# Altium PCB 891-萱250721-1.pcbdoc (part 1 of 5) (continued)
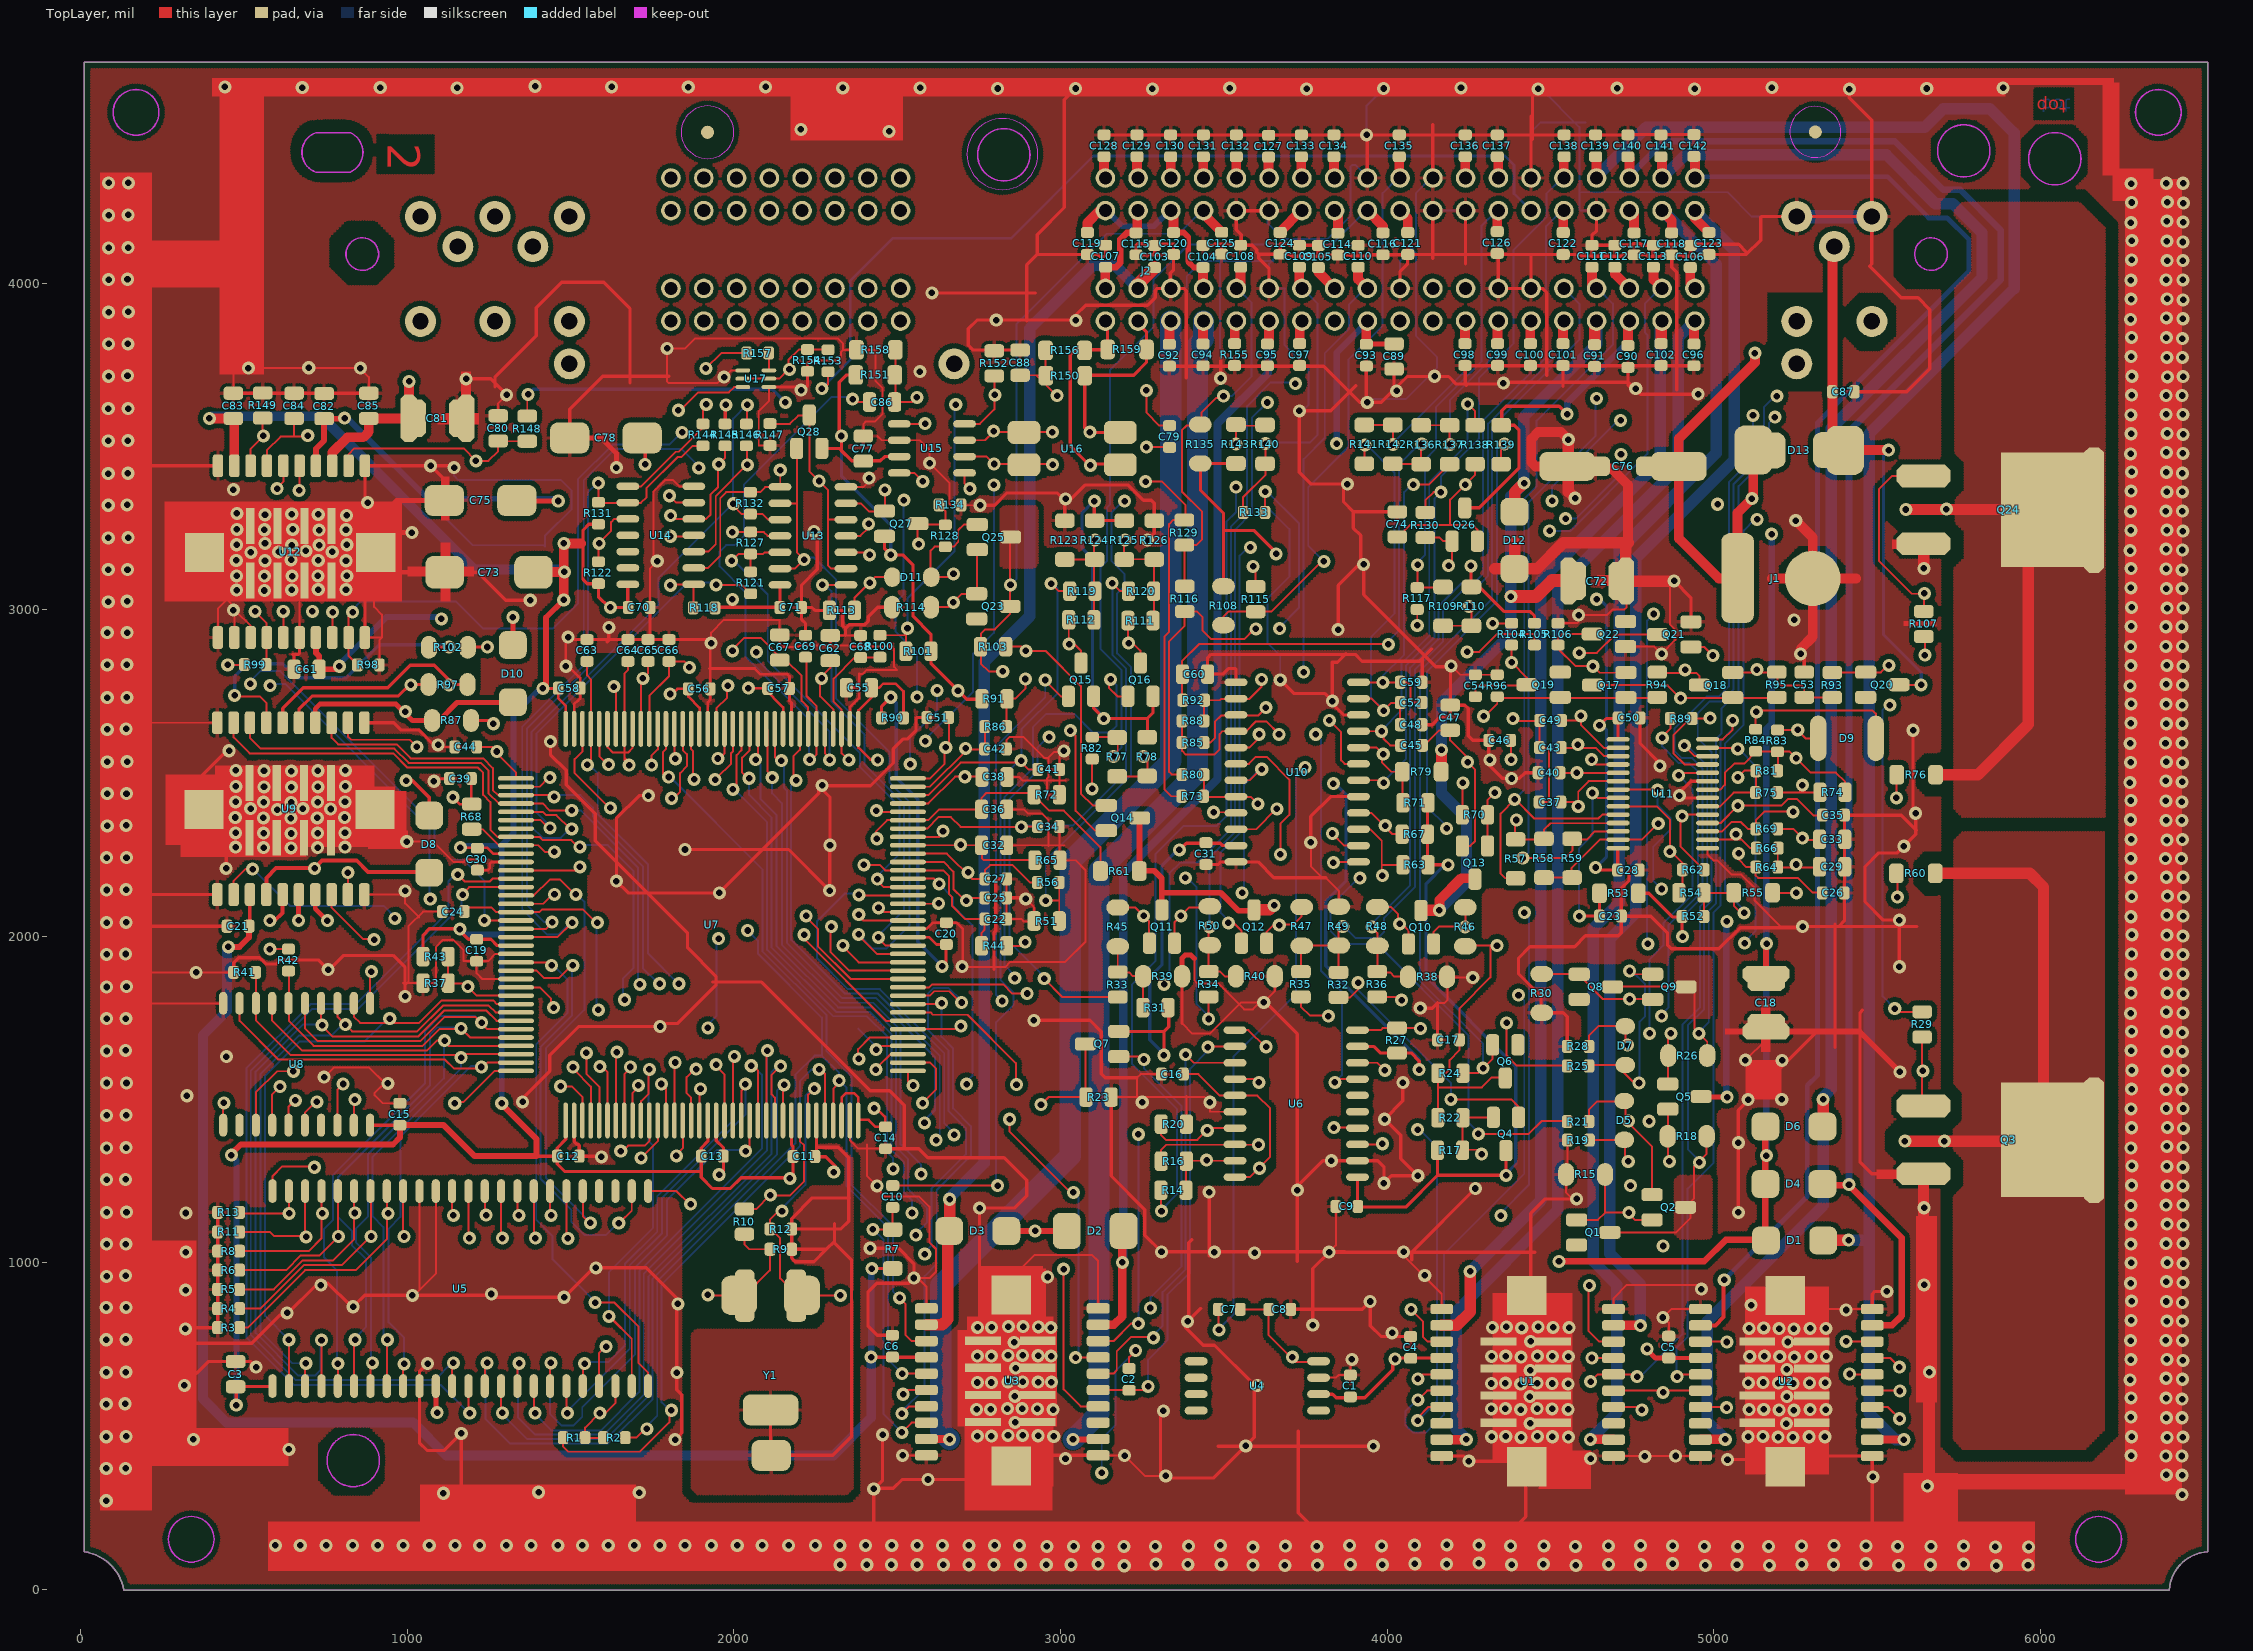
[diagram p0: TopLayer view]
## Design rules (kind name [scope] priority, off if disabled: settings)
AssemblyTestpoint [All] p1: testpointundercomponent=TRUE minsize=40 maxsize=200 preferedsize=60 minholesize=0 maxholesize=170 preferedholesize=32 testpointgrid=1 usegrid=TRUE gridtolerance=0.01 allowsidetop=TRUE allowsidebottom=TRUE
Clearance Clearance_7 [InNamedPolygon('6')] p1: gap=15
Clearance Clearance_6 [InNamedPolygon('5')] p2: gap=15
Clearance Clearance_3 [InNamedPolygon('4')] p3: gap=15
Clearance Clearance_2 [InNamedPolygon('3')] p4: gap=15
Clearance Clearance_5 [InNamedPolygon('5')] p5: gap=10
Clearance Clearance_4 [InNamedPolygon('4') vs OnLayer('KeepOutLayer')] p6: gap=7
Clearance Clearance_1 [All vs InPolygon] p7: gap=8
Clearance [All] p8: gap=6.5
ComponentClearance [All] p1 off: gap=10 collisioncheckmode=3 verticalgap=10 showdistances=FALSE
FabricationTestPointUsage TestPointUsage [All] p1: valid=0 allowmultiple=FALSE
FabricationTestpoint Testpoint [All] p1: side=3 testpointundercomponent=TRUE minsize=40 maxsize=100 preferedsize=60 minholesize=20 maxholesize=40 preferedholesize=32 testpointgrid=1 allowsidetop=TRUE allowsidebottom=TRUE usegrid=TRUE gridtolerance=0.01
Height [All] p1 off: minheight=0 maxheight=1000 prefheight=500
HoleSize [All] p1 off: absolutevalues=TRUE maxlimit=100 minlimit=1 maxpercent=80.000 minpercent=20.000
HoleToHoleClearance [All] p1 off: gap=10 allowstackedmicrovias=TRUE
LayerPairs [All] p1 off: enforce=TRUE
MinimumSolderMaskSliver [All] p1 off: minsoldermaskwidth=10
NetAntennae [All] p1 off: netantennaetolerance=0
PolygonConnect PolygonConnect_8 [(InPadClass('All Pads')) vs IsNamedPolygon('6')] p1: connectstyle=Relief reliefconductorwidth=10 reliefentries=4 polygonreliefangle="90 Angle" airgapwidth=10
PolygonConnect PolygonConnect_7 [(InPadClass('All Pads')) vs IsNamedPolygon('5')] p2: connectstyle=Relief reliefconductorwidth=10 reliefentries=4 polygonreliefangle="90 Angle" airgapwidth=10
PolygonConnect PolygonConnect_6 [(InPadClass('All Pads')) vs IsNamedPolygon('4')] p3: connectstyle=Relief reliefconductorwidth=10 reliefentries=4 polygonreliefangle="90 Angle" airgapwidth=10
PolygonConnect PolygonConnect_5 [(InPadClass('All Pads')) vs IsNamedPolygon('3')] p4: connectstyle=Relief reliefconductorwidth=10 reliefentries=4 polygonreliefangle="90 Angle" airgapwidth=10
PolygonConnect PolygonConnect_4 [All vs IsNamedPolygon('3')] p5: connectstyle=Direct reliefconductorwidth=10 reliefentries=4 polygonreliefangle="90 Angle" airgapwidth=10
PolygonConnect PolygonConnect_3 [All vs IsNamedPolygon('2')] p6: connectstyle=NoConnect reliefconductorwidth=10 reliefentries=4 polygonreliefangle="90 Angle" airgapwidth=10
PolygonConnect PolygonConnect_2 [OnLayer('BottomLayer')] p7: connectstyle=Direct reliefconductorwidth=10 reliefentries=4 polygonreliefangle="90 Angle" airgapwidth=10
PolygonConnect PolygonConnect_1 [All vs InPolygon] p8: connectstyle=Direct reliefconductorwidth=20 reliefentries=4 polygonreliefangle="45 Angle" airgapwidth=40
PolygonConnect [All] p9: connectstyle=Direct reliefconductorwidth=35 reliefentries=4 polygonreliefangle="45 Angle" airgapwidth=25
RoutingLayers [All] p1: top layer_v5=FALSE mid layer 1_v5=FALSE mid layer 2_v5=FALSE bottom layer_v5=FALSE
RoutingVias [All] p1: holewidth=15 width=30 viastyle="Through Hole" minholewidth=6 minwidth=10 maxholewidth=400 maxwidth=500
SilkToSilkClearance [All] p1 off: silktosilkclearance=10
SilkscreenOverComponentPads [IsPad] p1 off: minsilkscreentomaskgap=10
SolderMaskExpansion [All] p1: expansion=4
Width [All] p1: maxlimit=400 minlimit=4 preferedwidth=6
15 further rules are at their usual default settings.

## Classes and differential pairs
component class M2020-CKB-V1.0(2): u5

## Components (designator, comment, footprint, x,y, rotation, side; value= is the part's Value field where it differs from the comment)
C1 "NC" 29 3887,590 r180 top
C2 "NC" 29 3210,677 r0 top
C3 "NC" 28 474,621 r0 top
C4 "NC" 29 4072,708 r180 top
C5 "NC" 29 4862,776 r0 top
C6 "NC" 29 2485,779 r0 top
C7 "NC" 29 3550,858 r270 top
C8 "NC" 29 3705,858 r270 top
C9 "NC" 29 3910,1173 r270 top
C10 "NC" 29 2486,1170 r180 top
C11 "NC" 29 2181,1326 r90 top
C12 "NC" 29 1459,1327 r90 top
C13 "NC" 29 1900,1327 r90 top
C14 "NC" 29 2464,1350 r180 top
C15 "NC" 29 977,1489 r0 top
C16 "NC" 29 3376,1578 r270 top
C17 "NC" 29 4221,1683 r270 top
C18 "NC" 19 5160,1857 r0 top
C19 "NC" 29 1212,1991 r0 top
C20 "NC" 29 2650,1975 r180 top
C21 "NC" 29 515,2031 r270 top
C22 "NC" 29 2835,2053 r270 top
C23 "NC" 29 4717,2062 r270 top
C24 "NC" 29 1174,2076 r270 top
C25 "NC" 29 2835,2118 r270 top
C26 "NC" 29 5332,2133 r90 top
C27 "NC" 29 2835,2176 r270 top
C28 "NC" 29 4772,2203 r270 top
C29 "NC" 28 5401,2213 r90 top
C30 "NC" 29 1214,2203 r180 top
C31 "NC" 29 3445,2287 r0 top
C32 "NC" 28 2835,2279 r90 top
C33 "NC" 28 5401,2297 r90 top
C34 "NC" 29 2996,2336 r270 top
C35 "NC" 29 5333,2371 r90 top
C36 "NC" 28 2835,2389 r90 top
C37 "NC" 29 4532,2411 r270 top
C38 "NC" 28 2836,2488 r90 top
C39 "NC" 29 1129,2483 r90 top
C40 "NC" 29 4529,2501 r270 top
C41 "NC" 29 2997,2511 r270 top
C42 "NC" 29 2767,2574 r90 top
C43 "NC" 29 4533,2578 r270 top
C44 "NC" 29 1145,2580 r90 top
C45 "NC" 29 4108,2585 r270 top
C46 "NC" 29 4378,2600 r270 top
C47 "NC" 28 4193,2708 r180 top
C48 "NC" 29 4107,2648 r270 top
C49 "NC" 29 4534,2661 r270 top
C50 "NC" 29 4774,2669 r270 top
C51 "NC" 29 2590,2670 r90 top
C52 "NC" 29 4107,2716 r270 top
C53 "NC" 28 5277,2732 r0 top
C54 "NC" 29 4270,2734 r180 top
C55 "NC" 28 2421,2761 r90 top
C56 "NC" 29 1860,2758 r90 top
C57 "NC" 29 2103,2759 r90 top
C58 "NC" 29 1462,2760 r90 top
C59 "NC" 29 4107,2778 r270 top
C60 "NC" 28 3450,2803 r90 top
C61 "NC" 28 730,2818 r90 top
C62 "NC" 28 2295,2844 r0 top
C63 "NC" 29 1550,2842 r180 top
C64 "NC" 29 1675,2842 r180 top
C65 "NC" 29 1737,2842 r180 top
C66 "NC" 29 1801,2842 r180 top
C67 "NC" 28 2140,2846 r0 top
C68 "NC" 29 2388,2854 r180 top
C69 "NC" 29 2219,2855 r180 top
C70 "NC" 29 1676,3007 r90 top
C71 "NC" 29 2140,3007 r90 top
C72 "NC" 19 4583,3088 r90 top
C73 "NC" 26 1386,3115 r0 top
C74 "NC" 28 4031,3223 r0 top
C75 "NC" 25 1335,3335 r0 top
C76 "NC" 16 4807,3439 r0 top
C77 "NC" 28 2396,3455 r0 top
C78 "NC" 25 1719,3526 r0 top
C79 "NC" 29 3334,3497 r180 top
C80 "NC" 28 1278,3517 r0 top
C81 "NC" 19 1032,3586 r90 top
C82 "NC" 28 745,3585 r0 top
C83 "NC" 28 467,3586 r0 top
C84 "NC" 28 653,3586 r0 top
C85 "NC" 28 882,3586 r0 top
C86 "NC" 28 2492,3636 r90 top
C87 "NC" 29 5362.91,3667.55 r90 top
C88 "NC" 28 2876,3795 r180 top
C89 "NC" 28 4021,3814 r180 top
C90 "NC" 29 4737,3809 r0 top
C91 "NC" 29 4635,3812 r0 top
C92 "NC" 29 3333,3813 r0 top
C93 "NC" 29 3936,3813 r0 top
C94 "NC" 29 3436,3814 r0 top
C95 "NC" 29 3633,3814 r0 top
C96 "NC" 29 4939,3814 r0 top
C97 "NC" 29 3732,3815 r0 top
C98 "NC" 29 4238,3815 r0 top
C99 "NC" 29 4338.14,3815 r0 top
C100 "NC" 29 4438.29,3815 r0 top
C101 "NC" 29 4538.43,3815 r0 top
C102 "NC" 29 4838.86,3815 r0 top
C103 "NC" 29 3288,4048 r180 top
C104 "NC" 29 3436,4048 r180 top
C105 "NC" 29 3789,4048 r180 top
C106 "NC" 29 4928,4048 r180 top
C107 "NC" 29 3138,4049 r180 top
C108 "NC" 29 3551,4049 r180 top
C109 "NC" 29 3731,4049 r180 top
C110 "NC" 29 3911,4049 r180 top
C111 "NC" 29 4627,4049 r180 top
C112 "NC" 29 4697,4049 r180 top
C113 "NC" 29 4815,4049 r180 top
C114 "NC" 29 3849,4086 r180 top
C115 "NC" 29 3231,4087 r180 top
C116 "NC" 29 3987,4087 r180 top
C117 "NC" 29 4756,4087 r180 top
C118 "NC" 29 4871,4087 r180 top
C119 "NC" 29 3082,4088 r180 top
C120 "NC" 29 3346,4088 r180 top
C121 "NC" 29 4063,4088 r180 top
C122 "NC" 29 4539,4088 r180 top
C123 "NC" 29 4985,4088 r180 top
C124 "NC" 29 3672.49,4088.38 r180 top
C125 "NC" 29 3493,4089 r180 top
C126 "NC" 29 4337,4091 r180 top
C127 "NC" 29 3637,4386 r180 top
C128 "NC" 29 3133,4387 r180 top
C129 "NC" 29 3234,4387 r180 top
C130 "NC" 29 3337,4387 r180 top
C131 "NC" 29 3437,4387 r180 top
C132 "NC" 29 3538,4387 r180 top
C133 "NC" 29 3737,4387 r180 top
C134 "NC" 29 3837,4387 r180 top
C135 "NC" 29 4037,4387 r180 top
C136 "NC" 29 4239,4387 r180 top
C137 "NC" 29 4337,4387 r180 top
C138 "NC" 29 4542,4387 r180 top
C139 "NC" 29 4638,4387 r180 top
C140 "NC" 29 4737,4387 r180 top
C141 "NC" 29 4838,4387 r180 top
C142 "NC" 29 4939,4388 r180 top
D1 "NC" 18 5335,1069 r0 top
D2 "NC" 23 3193,1098 r0 top
D3 "NC" 18 2834,1098 r0 top
D4 "NC" 18 5333,1242 r0 top
D5 "NC" 20 4726,1496 r180 top
D6 "NC" 18 5333,1418 r0 top
D7 "NC" 20 4729,1606 r0 top
D8 "NC" 18 1067,2370 r90 top
D9 "NC" 22 5496,2606 r180 top
D10 "NC" 18 1323,2717 r270 top
D11 "NC" 20 2604,3100 r90 top
D12 "NC" 18 4390,3300 r90 top
D13 "NC" 15 5145,3488 r0 top
J1 "NC" 14 5073,3097 r0 top
J2 "NC" 1 1807,3884 r0 top
Q1 "NC" 17 4580,1132 r0 top
Q2 "NC" 17 4811,1209 r0 top
Q3 "NC" 13 5642,1481 r0 top
Q4 "NC" 17 4402,1446 r270 top
Q5 "NC" 17 4859,1548 r0 top
Q6 "NC" 17 4400,1668 r270 top
Q7 "NC" 17 3178,1632 r180 top
Q8 "NC" 17 4588,1884 r0 top
Q9 "NC" 17 4813,1884 r0 top
Q10 "NC" 17 4065,1977 r90 top
Q11 "NC" 17 3272,1979 r90 top
Q12 "NC" 17 3554,1979 r90 top
Q13 "NC" 17 4307,2277 r270 top
Q14 "NC" 17 3140,2401 r0 top
Q15 "NC" 17 3024,2735 r90 top
Q16 "NC" 17 3206,2735 r90 top
Q17 "NC" 17 4731,2731 r180 top
Q18 "NC" 17 5058,2731 r180 top
Q19 "NC" 17 4530,2732 r180 top
Q20 "NC" 17 5465,2809 r0 top
Q21 "NC" 17 4930,2886 r180 top
Q22 "NC" 17 4730,2887 r180 top
Q23 "NC" 17 2743,3049 r0 top
Q24 "NC" 13 5642,3410 r0 top
Q25 "NC" 17 2745,3261 r0 top
Q26 "NC" 17 4199,3210 r90 top
Q27 "NC" 17 2461,3302 r0 top
Q28 "NC" 17 2192,3494 r90 top
R1 "NC" 29 1544,465 r270 top
R2 "NC" 29 1667,465 r270 top
R3 "NC" 29 486,802 r270 top
R4 "NC" 29 486,860 r270 top
R5 "NC" 29 486,919 r270 top
R6 "NC" 29 486,978 r270 top
R7 "NC" 27 2486,1102 r0 top
R8 "NC" 29 486,1036 r270 top
R9 "NC" 29 2177,1042 r270 top
R10 "NC" 28 2032,1165 r180 top
R11 "NC" 29 486,1095 r270 top
R12 "NC" 29 2177,1104 r270 top
R13 "NC" 29 486,1155 r270 top
R14 "NC" 28 3307,1223 r270 top
R15 "NC" 21 4667,1271 r180 top
R16 "NC" 28 3308,1312 r270 top
R17 "NC" 28 4231,1345 r90 top
R18 "NC" 21 4978,1388 r180 top
R19 "NC" 29 4619,1376 r270 top
R20 "NC" 28 3308,1425 r270 top
R21 "NC" 29 4618,1433 r270 top
R22 "NC" 28 4232,1445 r90 top
R23 "NC" 28 3078,1508 r270 top
R24 "NC" 28 4232,1581 r90 top
R25 "NC" 29 4618,1603 r270 top
R26 "NC" 21 4980,1635 r180 top
R27 "NC" 28 4030,1643 r0 top
R28 "NC" 29 4618,1663 r270 top
R29 "NC" 28 5638,1692 r0 top
R30 "NC" 21 4473,1885 r270 top
R31 "NC" 28 3252,1782 r270 top
R32 "NC" 28 3851,1813 r0 top
R33 "NC" 28 3175,1891 r180 top
R34 "NC" 28 3454,1815 r0 top
R35 "NC" 28 3736,1815 r0 top
R36 "NC" 28 3969,1815 r0 top
R37 "NC" 28 1125,1857 r90 top
R38 "NC" 21 4183,1876 r180 top
R39 "NC" 21 3253,1878 r0 top
R40 "NC" 21 3537,1878 r0 top
R41 "NC" 29 468,1890 r90 top
R42 "NC" 29 636,1894 r180 top
R43 "NC" 28 1125,1938 r90 top
R44 "NC" 28 2835,1971 r90 top
R45 "NC" 21 3174.99,2088.38 r270 top
R46 "NC" 21 4239,1970 r90 top
R47 "NC" 21 3738,1971 r90 top
R48 "NC" 21 3970,1971 r90 top
R49 "NC" 21 3852,1972 r90 top
R50 "NC" 21 3457,1973 r90 top
R51 "NC" 28 2996,2047 r90 top
R52 "NC" 29 4970,2061 r270 top
R53 "NC" 27 4769,2132 r270 top
R54 "NC" 28 4970,2133 r90 top
R55 "NC" 27 5180,2134 r270 top
R56 "NC" 29 2996,2165 r270 top
R57 "NC" 27 4393,2178 r180 top
R58 "NC" 27 4480,2180 r180 top
R59 "NC" 27 4566,2180 r180 top
R60 "NC" 27 5559,2193 r90 top
R61 "NC" 27 3241,2200 r270 top
R62 "NC" 29 4971,2204 r270 top
R63 "NC" 28 4125,2219 r90 top
R64 "NC" 29 5196,2212 r270 top
R65 "NC" 28 2998,2233 r90 top
R66 "NC" 29 5197,2270 r270 top
R67 "NC" 28 4123,2313 r90 top
R68 "NC" 28 1197,2405 r180 top
R69 "NC" 29 5196,2329 r270 top
R70 "NC" 28 4307,2372 r90 top
R71 "NC" 28 4125,2409 r90 top
R72 "NC" 28 2996,2434 r90 top
R73 "NC" 29 3371,2429 r90 top
R74 "NC" 28 5402,2441 r90 top
R75 "NC" 29 5195,2440 r270 top
R76 "NC" 27 5560,2495 r90 top
R77 "NC" 27 3173,2609 r0 top
R78 "NC" 27 3265,2610 r0 top
R79 "NC" 27 4165,2504 r270 top
R80 "NC" 29 3372,2495 r90 top
R81 "NC" 29 5196,2507 r270 top
R82 "NC" 29 3097,2610 r0 top
R83 "NC" 29 5195,2632 r0 top
R84 "NC" 29 5128,2634 r0 top
R85 "NC" 29 3372,2593 r90 top
R86 "NC" 29 2768,2642 r90 top
R87 "NC" 21 1195,2661 r180 top
R88 "NC" 29 3372,2660 r90 top
R89 "NC" 29 4867,2667 r90 top
R90 "NC" 29 2452,2669 r90 top
R91 "NC" 28 2836,2727 r90 top
R92 "NC" 29 3374,2723 r90 top
R93 "NC" 28 5363,2731 r0 top
R94 "NC" 28 4827,2732 r0 top
R95 "NC" 28 5193,2732 r0 top
R96 "NC" 29 4337,2734 r180 top
R97 "NC" 21 1184,2771 r180 top
R98 "NC" 29 847,2831 r90 top
R99 "NC" 29 501,2832 r90 top
R100 "NC" 29 2447,2855 r180 top
R101 "NC" 28 2603,2873 r90 top
R102 "NC" 21 1185,2885 r180 top
R103 "NC" 28 2832,2887 r90 top
R104 "NC" 29 4381,2892 r180 top
R105 "NC" 29 4451,2892 r180 top
R106 "NC" 29 4523,2892 r180 top
R107 "NC" 28 5643,2918 r0 top
R108 "NC" 21 3499,3072 r270 top
R109 "NC" 27 4171,2951 r180 top
R110 "NC" 27 4258,2951 r180 top
R111 "NC" 28 3283,2967 r90 top
R112 "NC" 28 3102,2969 r90 top
R113 "NC" 28 2369,2998 r90 top
R114 "NC" 21 2603,3008 r180 top
R115 "NC" 28 3597,2994 r0 top
R116 "NC" 28 3380,2995 r0 top
R117 "NC" 29 4092,3068 r0 top
R118 "NC" 29 1875,3006 r90 top
R119 "NC" 28 3105,3057 r90 top
R120 "NC" 28 3285,3057 r90 top
R121 "NC" 29 2051,3116 r0 top
R122 "NC" 29 1585,3147 r0 top
R123 "NC" 27 3013,3273 r0 top
R124 "NC" 27 3104,3273 r0 top
R125 "NC" 27 3195,3273 r0 top
R126 "NC" 27 3287,3273 r0 top
R127 "NC" 29 2051,3238 r0 top
R128 "NC" 29 2647,3260 r0 top
R129 "NC" 28 3379,3198 r0 top
R130 "NC" 28 4117,3221 r0 top
R131 "NC" 29 1585,3329 r0 top
R132 "NC" 29 2050,3360 r0 top
R133 "NC" 29 3559,3298 r90 top
R134 "NC" 29 2695,3321 r270 top
R135 "NC" 21 3428,3567 r270 top
R136 "NC" 27 4104,3565 r0 top
R137 "NC" 27 4191,3565 r0 top
R138 "NC" 27 4269,3565 r0 top
R139 "NC" 27 4349,3565 r0 top
R140 "NC" 27 3626,3566 r0 top
R141 "NC" 27 3930,3566 r0 top
R142 "NC" 27 4017,3566 r0 top
R143 "NC" 27 3537,3567 r0 top
R144 "NC" 29 1905,3569 r0 top
R145 "NC" 29 1973,3569 r0 top
R146 "NC" 29 2038,3569 r0 top
R147 "NC" 29 2110,3570 r0 top
R148 "NC" 28 1367,3516 r0 top
R149 "NC" 28 557,3587 r0 top
R150 "NC" 27 2955,3717 r90 top
R151 "NC" 27 2373,3719 r90 top
R152 "NC" 28 2797,3793 r180 top
R153 "NC" 29 2288,3729 r180 top
R154 "NC" 29 2225,3730 r180 top
R155 "NC" 29 3533,3815 r0 top
R156 "NC" 27 2954,3794 r90 top
R157 "NC" 29 2039,3786 r90 top
R158 "NC" 27 2375,3796 r90 top
R159 "NC" 27 3144,3797 r90 top
U1 "NC" 3 4693,409 r0 top
U2 "NC" 3 5485,409 r0 top
U3 "NC" 3 3115,411 r0 top
U4 "NC" 9 3790,548 r0 top
U5 "NC" 4 1737,1220 r0 top
U6 "NC" 10#1 3909,1263 r0 top
U7 "NC" 2 2532.49,1587.96 r0 top
U8 "NC" 5 886,1795 r0 top
U9 "NC" 3 868,2654 r90 top
U10 "NC" 10#2 3912,2228 r0 top
U11 "NC" 12 4707,2603 r0 top
U12 "NC" 3 870,3441 r90 top
U13 "NC" 7 2343,3076 r0 top
U14 "NC" 7 1877,3078 r0 top
U15 "NC" 6 2506,3569 r0 top
U16 "NC" 11 2888,3543 r0 top
U17 "NC" 8 2027,3733 r0 top
Y1 "NC" 24 2208,901 r0 top

## Footprints (in the part's own frame and the unit in brackets; to place one, negate y for a bottom-side part, rotate by r counter-clockwise, add the part's x,y. Pads: shape width x height; smd on the part's side, far side on the other; paste and mask are expansions set on the pad)
1 [mil]
  round 60 hole 40: 1(0,0) 2(100.43,0) 3(200.86,0) 4(301.29,0) 5(401.71,0) 6(502.14,0) 7(602.57,0) 8(703,0) 9(1330,0) 10(1430.28,0) 11(1530.56,0) 12(1630.83,0) 13(1731.11,0) 14(1831.39,0) 15(1931.67,0) 16(2031.94,0) 17(2132.22,0) 18(2232.5,0) 19(2332.78,0) 20(2433.05,0) 21(2533.33,0) 22(2633.61,0) 23(2733.89,0) 24(2834.17,0) 25(2934.44,0) 26(3034.72,0) 27(3135,0) 28(0,100) 29(100.43,100) 30(200.86,100) 31(301.29,100) 32(401.71,100) 33(502.14,100) 34(602.57,100) 35(703,100) 36(1330,100) 37(1430.28,100) 38(1530.56,100) 39(1630.83,100) 40(1731.11,100) 41(1831.39,100) 42(1931.67,100) 43(2031.94,100) 44(2132.22,100) 45(2232.5,100) 46(2332.78,100) 47(2433.05,100) 48(2533.33,100) 49(2633.61,100) 50(2733.89,100) 51(2834.17,100) 52(2934.44,100) 53(3034.72,100) 54(3135,100) 55(0,338) 56(100.43,338) 57(200.86,338) 58(301.29,338) 59(401.71,338) 60(502.14,338) 61(602.57,338) 62(703,338) 63(1330,338) 64(1430.28,338) 65(1530.56,338) 66(1630.83,338) 67(1731.11,338) 68(1831.39,338) 69(1931.67,338) 70(2031.94,338) 71(2132.22,338) 72(2232.5,338) 73(2332.78,338) 74(2433.05,338) 75(2533.33,338) 76(2633.61,338) 77(2733.89,338) 78(2834.17,338) 79(2934.44,338) 80(3034.72,338) 81(3135,338) 82(0,438) 83(100.43,438) 84(200.86,438) 85(301.29,438) 86(401.71,438) 87(502.14,438) 88(602.57,438) 89(703,438) 90(1330,438) 91(1430.28,438) 92(1530.56,438) 93(1630.83,438) 94(1731.11,438) 95(1831.39,438) 96(1931.67,438) 97(2031.94,438) 98(2132.22,438) 99(2232.5,438) 100(2332.78,438) 101(2433.05,438) 102(2533.33,438) 103(2633.61,438) 104(2733.89,438) 105(2834.17,438) 106(2934.44,438) 107(3034.72,438) 108(3135,438)
  round 95 hole 50: 109(3447,320) 110(3447,-1) 111(3447,-131) 112(3562,228) 113(3677,320) 114(3677,-1) 115(-311,320) 116(-311,-1) 117(-311,-131) 118(-423,228) 119(-539,320) 120(-539,-1) 121(-652.5,228) 122(-767,320) 123(-767,-1) 124(867,-131)
  KeepOutLayer circle w5: c4237.19,497 r80
  KeepOutLayer circle w5: c3958.19,521 r80
  KeepOutLayer circle w5: c1019.19,509 r80
  KeepOutLayer circle w5: c-945,205 r50
  KeepOutLayer circle w5: c3858,205 r50
  KeepOutLayer lines w5: -1087,456 cw(c-1065.94,516.5) -1087,577 -982,577 cw(c-1009.42,516.5) -982,456 -1087,456
2 [mil]
  oval 110x14 smd: 1(0,0) 2(0,25.59) 3(0,51.18) 4(0,76.77) 5(0,102.36) 6(0,127.95) 7(0,153.54) 8(0,179.13) 9(0,204.72) 10(0,230.31) 11(0,255.9) 12(0,281.5) 13(0,307.09) 14(0,332.68) 15(0,358.27) 16(0,383.86) 17(0,409.45) 18(0,435.04) 19(0,460.63) 20(0,486.22) 21(0,511.81) 22(0,537.4) 23(0,562.99) 24(0,588.58) 25(0,614.17) 26(0,639.76) 27(0,665.35) 28(0,690.94) 29(0,716.53) 30(0,742.12) 31(0,767.71) 32(0,793.31) 33(0,818.9) 34(0,844.49) 35(0,870.08) 36(0,895.67) 73(-1200,895.67) 74(-1200,870.08) 75(-1200,844.49) 76(-1200,818.9) 77(-1200,793.31) 78(-1200,767.71) 79(-1200,742.12) 80(-1200,716.53) 81(-1200,690.94) 82(-1200,665.35) 83(-1200,639.76) 84(-1200,614.17) 85(-1200,588.58) 86(-1200,562.99) 87(-1200,537.4) 88(-1200,511.81) 89(-1200,486.22) 90(-1200,460.63) 91(-1200,435.04) 92(-1200,409.45) 93(-1200,383.86) 94(-1200,358.27) 95(-1200,332.68) 96(-1200,307.09) 97(-1200,281.5) 98(-1200,255.9) 99(-1200,230.31) 100(-1200,204.72) 101(-1200,179.13) 102(-1200,153.54) 103(-1200,127.95) 104(-1200,102.36) 105(-1200,76.77) 106(-1200,51.18) 107(-1200,25.59) 108(-1200,0)
  oval 14x110 smd: 37(-152.17,1047.33) 38(-177.76,1047.33) 39(-203.35,1047.33) 40(-228.94,1047.33) 41(-254.53,1047.33) 42(-280.12,1047.33) 43(-305.71,1047.33) 44(-331.3,1047.33) 45(-356.89,1047.33) 46(-382.48,1047.33) 47(-408.07,1047.33) 48(-433.66,1047.33) 49(-459.25,1047.33) 50(-484.84,1047.33) 51(-510.43,1047.33) 52(-536.02,1047.33) 53(-561.61,1047.33) 54(-587.2,1047.33) 55(-612.8,1047.33) 56(-638.39,1047.33) 57(-663.98,1047.33) 58(-689.57,1047.33) 59(-715.16,1047.33) 60(-740.75,1047.33) 61(-766.34,1047.33) 62(-791.93,1047.33) 63(-817.52,1047.33) 64(-843.11,1047.33) 65(-868.7,1047.33) 66(-894.29,1047.33) 67(-919.88,1047.33) 68(-945.47,1047.33) 69(-971.06,1047.33) 70(-996.65,1047.33) 71(-1022.24,1047.33) 72(-1047.83,1047.33) 109(-1047.83,-151.67) 110(-1022.24,-151.67) 111(-996.65,-151.67) 112(-971.06,-151.67) 113(-945.47,-151.67) 114(-919.88,-151.67) 115(-894.29,-151.67) 116(-868.7,-151.67) 117(-843.11,-151.67) 118(-817.52,-151.67) 119(-791.93,-151.67) 120(-766.34,-151.67) 121(-740.75,-151.67) 122(-715.16,-151.67) 123(-689.57,-151.67) 124(-663.98,-151.67) 125(-638.39,-151.67) 126(-612.8,-151.67) 127(-587.2,-151.67) 128(-561.61,-151.67) 129(-536.02,-151.67) 130(-510.43,-151.67) 131(-484.84,-151.67) 132(-459.25,-151.67) 133(-433.66,-151.67) 134(-408.07,-151.67) 135(-382.48,-151.67) 136(-356.89,-151.67) 137(-331.3,-151.67) 138(-305.71,-151.67) 139(-280.12,-151.67) 140(-254.53,-151.67) 141(-228.94,-151.67) 142(-203.35,-151.67) 143(-177.76,-151.67) 144(-152.17,-151.67)
3 [mil]
  rrect50% 70x32 smd: 1(0,0) 2(0,50) 3(0,100) 4(0,150) 5(0,200) 6(0,250) 7(0,300) 8(0,350) 9(0,400) 10(0,450) 11(-526,450) 12(-526,400) 13(-526,350) 14(-526,300) 15(-526,250) 16(-526,200) 17(-526,150) 18(-526,100) 19(-526,50) 20(-526,0)
  rect 120x120 smd: 21(-266,491) 22(-266,-33)
  rect 110x25 smd: 23(-352,351) 24(-352,268) 25(-352,185) 26(-352,102) 27(-185,102) 28(-185,185) 29(-185,268) 30(-185,351)
4 [mil]
  oval 25x73 smd: 1(0,0) 2(-50,0) 3(-100,0) 4(-150,0) 5(-200,0) 6(-250,0) 7(-300,0) 8(-350,0) 9(-400,0) 10(-450,0) 11(-500,0) 12(-550,0) 13(-600,0) 14(-650,0) 15(-700,0) 16(-750,0) 17(-800,0) 18(-850,0) 19(-900,0) 20(-950,0) 21(-1000,0) 22(-1050,0) 23(-1100,0) 24(-1150,0) 25(-1150,-597) 26(-1100,-597) 27(-1050,-597) 28(-1000,-597) 29(-950,-597) 30(-900,-597) 31(-850,-597) 32(-800,-597) 33(-750,-597) 34(-700,-597) 35(-650,-597) 36(-600,-597) 37(-550,-597) 38(-500,-597) 39(-450,-597) 40(-400,-597) 41(-350,-597) 42(-300,-597) 43(-250,-597) 44(-200,-597) 45(-150,-597) 46(-100,-597) 47(-50,-597) 48(0,-597)
5 [mil]
  oval 25x70 smd: 1(0,0) 2(-50,0) 3(-100,0) 4(-150,0) 5(-200,0) 6(-250,0) 7(-300,0) 8(-350,0) 9(-400,0) 10(-450,0) 11(-450,-373) 12(-400,-373) 13(-350,-373) 14(-300,-373) 15(-250,-373) 16(-200,-373) 17(-150,-373) 18(-100,-373) 19(-50,-373) 20(0,-373)
6 [mil]
  oval 70x23 smd: 1(0,0) 2(0,-50) 3(0,-100) 4(0,-150) 5(200,-150) 6(200,-100) 7(200,-50) 8(200,0)
7 [mil]
  oval 70x23 smd: 1(0,0) 2(0,50) 3(0,100) 4(0,150) 5(0,200) 6(0,250) 7(0,300) 8(-202,300) 9(-202,250) 10(-202,200) 11(-202,150) 12(-202,100) 13(-202,50) 14(-202,0)
8 [mil]
  oval 45x12 smd: 1(0,0) 2(0,-25.5) 3(0,-51) 4(80,-51) 5(80,-25.5) 6(80,0)
9 [mil]
  oval 70x25 smd: 1(0,0) 2(0,50.33) 3(0,100.67) 4(0,151) 5(-375,151) 6(-375,100.67) 7(-375,50.33) 8(-375,0)
10#1 [mil]
  oval 70x23 smd: 1(0,0) 2(0,50) 3(0,100) 4(0,150) 5(0,200) 6(0,250) 7(0,300) 8(0,350) 9(0,400) 10(0,450) 11(-375,450) 12(-375,400) 13(-375,350) 14(-375,300) 15(-375,250) 16(-375,200) 17(-375,150) 18(-375,100) 19(-375,50) 20(-375,0)
10#2 [mil]
  oval 70x23 smd: 1(0,0) 2(0,50) 3(0,100) 4(0,150) 5(0,200) 6(0,250) 7(0,300) 8(0,350) 9(0,400) 10(0,450) 11(0,500) 12(0,550) 13(-375,550) 14(-375,500) 15(-375,450) 16(-375,400) 17(-375,350) 18(-375,300) 19(-375,250) 20(-375,200) 21(-375,150) 22(-375,100) 23(-375,50) 24(-375,0)
11 [mil]
  rrect50% 100x70 smd: 1(0,0) 2(0,-99) 3(295,-99) 4(295,0)
12 [mil]
  oval 70x14 smd: 1(0,0) 2(0,-25.59) 3(0,-51.18) 4(0,-76.77) 5(0,-102.36) 6(0,-127.95) 7(0,-153.54) 8(0,-179.13) 9(0,-204.72) 10(0,-230.31) 11(0,-255.9) 12(0,-281.5) 13(0,-307.09) 14(0,-332.68) 15(274,-332.68) 16(274,-307.09) 17(274,-281.5) 18(274,-255.9) 19(274,-230.31) 20(274,-204.72) 21(274,-179.13) 22(274,-153.54) 23(274,-127.95) 24(274,-102.36) 25(274,-76.77) 26(274,-51.18) 27(274,-25.59) 28(274,0)
13 [mil]
  oct 165x70 smd: 1(0,0) 3(0,-208)
  rect 280x350 smd: 2(377,-104)
  oct 60x385 smd: 2(522,-105)
14 [mil]
  rrect50% 100x275 smd: 1(0,0)
  round 170 smd: 2(230,-1)
15 [mil]
  rrect50% 115x150 smd: 1(-24,1) 2(257,0)
  rrect50% 150x110 smd: 1(0,0) 2(233,1)
16 [mil]
  rrect50% 90x60 smd: 1(0,0) 2(-170,0)
  rrect50% 170x88 smd: 1(86,0) 2(-256,0)
17 [mil]
  rrect50% 65x40 smd: 1(0,0) 2(0,-77) 3(102,-38.5)
18 [mil]
  rrect50% 85x85 smd: 1(0,0) 2(-175,0)
19 [mil]
  oct 115x50 smd: 1(0,0) 2(0,-120)
  oct 145x50 smd: 1(0,28) 2(0,-148)
20 [mil]
  oval 60x50 smd: 1(0,0) 2(0,119)
21 [mil]
  oval 50x70 smd: 1(0,0) 2(119,0)
22 [mil]
  oval 50x140 smd: 1(0,0) 2(176,0)
23 [mil]
  rrect50% 85x110 smd: 1(0,0) 2(-174,0)
24 [mil]
  rrect50% 60x160 smd: 1(-17,-1) 2(-175,-1)
  rrect50% 110x120 smd: 1(0,0) 2(-192,0)
  rrect50% 170x95 smd: 3(-96,-351)
  rrect50% 120x95 smd: 4(-94,-490)
25 [mil]
  rrect50% 120x95 smd: 1(0,0) 2(-222,0)
26 [mil]
  rrect50% 118x100 smd: 1(0,0) 2(-272,0)
27 [mil]
  rrect50% 60x45 smd: 1(0,0) 2(0,-119)
28 [mil]
  rrect50% 60x40 smd: 1(0,0) 2(0,77)
29 [mil]
  rrect50% 40x33 smd: 1(0,0) 2(0,-67)

## Free pads (board coordinates)
  round 40 smd far side: 1(1517.49,936.71) 2(2380.41,1718.38)
  round 40 smd: 1(1919,4462) 2(5311,4463)

## Via types
v1: diameter 40, hole 20, TopLayer to BottomLayer, 1372 vias

## Nets (pads, with @x,y where several pads share a name; then routed paths per layer and width w, separated by ;. In a path a pad name is that pad's centre, name@x,y a point inside that pad or via, vN(x,y) a via of type N, cw(c..) or ccw(c..) an arc to the next point about the centre after c; other vN are vias at no path point)
GND: 
GND2: 
J1-1: 
J2-1: 
NewNet1: C96.1 J2.27 U1.19 | length 3881.8
  TopLayer w30: U1.19@4167,459 4241,459 v1(4242,460) ; C96.1@4939,3814 J2.27@4939,3881
  BottomLayer w35: v1(4242,460) 4211.24,490.76 4211.24,851.71 4521.66,1162.13 4521.66,3067.13 4891.24,3436.71 4891.24,3833.25 J2.27@4942,3884
NewNet2: C102.1 J2.26 U1.12 | length 3517.7
  TopLayer w30: C102.1@4838.86,3815 4838.86,3881.14 J2.26@4841.72,3884
  TopLayer w35: U1.12@4167,809 4213,809 4254,850 v1(4254,974) ; C102.1@4838.86,3815 J2.26@4838.86,3881.14
  BottomLayer w35: v1(4254,974) 4470.41,1190.41 4470.41,3090.05 4835.41,3455.05 4835.41,3877.69 J2.26@4841.72,3884
NewNet3: C90.1 J2.25 Q26.3 R139.1 R148.2 | length 4510.6
  TopLayer w6: R148.2@1367,3587 v1@1367,3657
  TopLayer w10: Q26.3@4237.5,3312 4281.53,3312 4403.74,3434.21 4403.74,3550.05 4388.79,3565 R139.1@4349,3565 4350.41,3566.41 4350.41,3609.21 4364.58,3623.38 4526.24,3623.38 v1(4550.83,3598.8)
  TopLayer w30: C90.1@4737,3809 4737,3879.56 J2.25@4741.44,3884
  MidLayer2 w10: v1@2159,3630 2193,3596 2549,3596 2563,3610 2617,3610 2641,3586 3129,3586 3144,3571 3322,3571 3430,3463 3736,3463 3834,3561 4518,3561 v1@4556,3599
  BottomLayer w10: v1(1369.58,3659.21) 1385.41,3675.05 2117.08,3675.05 v1(2157.08,3635.05)
  BottomLayer w20: v1(4550.83,3598.8) 4550.83,3633.38 4741.44,3824 J2.25@4741.44,3884
NewNet4: C72.1 C91.1 D12.1 J2.24 Q5.3 Q10.3 Q11.3 Q12.3 Q13.3 Q14.3 R61.1 R79.1 | length 5470.2
  TopLayer w15: Q5.3@4962.5,1508 v1(5041,1508)
  TopLayer w18: Q14.3@3242,2362.5 3242,2204.29 3245.41,2200.88 3287.08,2200.88 3309.58,2178.38 3309.58,2081.92 Q11.3@3310.5,2081 ; 3311.66,2133.38 3489.99,2133.38 3544.99,2078.38 Q12.3@3589.88,2078.38
  TopLayer w30: v1(4160,2080) 4160,2111.3 4226.66,2177.96 4265.54,2177.96 Q13.3@4268.5,2175
  TopLayer w35: Q12.3@3592.5,2081 3639.7,2081 v1(3653.74,2095.05) ; Q10.3@4103.5,2079 4104.5,2080 v1(4160,2080) ; R79.1@4165,2504 4166.24,2505.24 v1(4166.24,2570.88) ; D12.1@4390,3300 4390,3359.64 4417.91,3387.55 v1(4419.16,3387.55) ; C91.1@4635,3812 J2.24@4635,3877.83
  TopLayer w40: v1(4378.74,3040.05) 4455.41,3040.05 4504.58,3089.21 4553.79,3089.21 C72.1@4555,3088
  MidLayer2 w15: v1@4166,2080 4337,2080 4404,2013 4736,2013 4769,2046 v1(5040,2046)
  MidLayer2 w35: v1@3660,2093 4153,2093 v1@4166,2080
  BottomLayer w20: v1(5040,2046) 5038.74,2044.74 5038.74,1510.26 v1(5041,1508)
  BottomLayer w35: v1(4160,2080) 4160,2082.14 4242.91,2165.05 4242.91,2361.71 4166.24,2438.38 4166.24,2715.05 4378.74,2927.55 4378.74,3347.13 4417.49,3385.88 4417.49,3590.05 4641.17,3813.72 J2.24@4641.17,3884
NewNet5: C101.1 J2.23 R32.2 R35.2 R47.1 R49.1 | length 2670
  TopLayer w6: R35.2@3736,1892 3736,1957.72 3749.99,1971.71 3851.71,1971.71 R49.1@3852,1972 ; R32.2@3851,1890 3851,2017 v1(3864,2030)
  TopLayer w30: C101.1@4538.43,3815 4538.43,3881.54 J2.23@4540.89,3884
  BottomLayer w6: v1(3864,2030) 3868.37,2030 3903.74,1994.63 3971.24,1994.63 3990.41,2013.8 3990.41,2056.71 4085.62,2151.92 4085.62,2817.76 4170.41,2902.55 4170.41,2999.21 4237.08,3065.88 4270.83,3065.88 4308.74,3103.8 4308.74,3569.63 4540.89,3801.77 J2.23@4540.89,3884
NewNet6: C100.1 J2.22 R52.1 R54.1 R55.2 | length 2668.7
  TopLayer w6: R52.1@4970,2061 4970,2122.14 4980.41,2132.55 5059.55,2132.55 5061.24,2130.85 5061.24,2093.38 5082.49,2072.13 v1(5092.91,2072.13)
  TopLayer w30: C100.1@4438.29,3815 4438.29,3881.68 J2.22@4440.61,3884
  MidLayer2 w10: J2.22@4440.61,3884 4440.61,3859.39 4607,3693 4653,3693 4690,3656 4690,3622 4671,3603 4671,3465 4856,3280 v1@5135,3280
  BottomLayer w6: v1@5092.91,2080.05 5034.58,2138.38 5034.58,2591.3 5091.24,2647.96 5091.24,3242.55 5125.62,3276.92 v1(5132.49,3276.92)
NewNet7: C99.1 J2.21 R136.1 R137.1 | length 652.4
  TopLayer w6: R136.1@4104,3565 4183.79,3565 4190.83,3557.96 4190.83,3506.3 v1@4192.08,3505.05
  TopLayer w30: C99.1@4338.14,3815 4338.14,3881.81 J2.21@4340.33,3884
  BottomLayer w6: v1(4191.66,3506.3) 4191.66,3641.71 4337.91,3787.96 4337.91,3881.58 J2.21@4340.33,3884
NewNet8: C98.1 J2.20 R141.1 R142.1 | length 681.2
  TopLayer w6: R141.1@3930,3566 4004.87,3566 4017.49,3553.38 v1(4017.49,3505.46)
  TopLayer w30: C98.1@4238,3815 4238,3881.95 J2.20@4240.05,3884
  BottomLayer w6: v1(4017.49,3505.46) 4017.49,3510.46 4240.05,3733.02 J2.20@4240.05,3884
NewNet9: C18.1 C89.1 C93.1 D1.2 D2.2 D3.1 D4.2 D6.2 D10.2 J2.17 | length 10055
  TopLayer w15: D10.2@1322.91,2890.88 v1(1322.91,2977.13) ; C93.1@3936,3813 3937,3814 C89.1@4021,3814
  TopLayer w18: D3.1@2834,1098 D2.2@3025,1098 ; C18.1@5160,1857 5159.99,1975.99 v1(5162,1978)
  TopLayer w20: v1(4526,1005) 4971,1005 5037,1071 5158,1071 D1.2@5160,1069 ; D1.2@5158,1068 D6.2@5158,1418
  TopLayer w30: C93.1@3936,3813 3936,3880.78 J2.17@3939.22,3884
  MidLayer2 w15: v1@1327,2977 1334,2984 1508,2984 1643,3119 1643,3257 1906,3520 2250,3520 2284,3486 2499,3486 2509,3496 3117,3496 3164,3543 3297,3543 3403,3437 3781,3437 3847,3503 v1@3850,3503 ; v1(2922,1098) 4292,1098 4369,1021 4510,1021 v1(4526,1005) ; J2.17@3938.22,3885 3939,3885 4053,3771 4451,3771 4644,3578 4644,3449 4859,3234 v1@5180,3234
  BottomLayer w20: v1@3845.41,3514.21 3845.41,3787.55 3939.22,3881.36 J2.17@3939.22,3884 ; v1(5161,1329) 5161,1977 5161,2635.64 5177.91,2652.55 5177.91,3231.3 v1(5177.29,3231.92)
  other v1: 3845,3509
NewNet10: C86.1 C97.1 J2.15 R151.2 R158.2 | length 1813.2
  TopLayer w6: R158.2@2494,3796 2494,3633.54 2496.76,3636.3 2546.3,3636.3 v1(2560,3650)
  TopLayer w30: C97.1@3732,3815 3732,3877.33 J2.15@3738.67,3884
  MidLayer2 w10: v1(2560,3650) 2580,3670 2698,3670 2728,3700 3089,3700 3171,3618 3346,3618 3390,3574 3644,3574 3680,3610 3680,3775 3738.67,3833.67 J2.15@3738.67,3884
NewNet11: C95.1 D2.1 J2.14 U3.9 | length 3482.7
  TopLayer w25: U3.9@3115,811 3164,811 3189,836 D2.1@3189,1094
  TopLayer w30: C95.1@3633,3814 3638.39,3819.39 J2.14@3638.39,3884
  BottomLayer w25: v1(3189,1002) 3192.08,1005.08 3192.08,2193.38 3480.41,2481.71 3480.41,3570.05 3634.58,3724.21 3634.58,3880.19 J2.14@3638.39,3884
NewNet12: C79.2 J2.13 R155.1 | length 588.2
  TopLayer w6: v1(3262.49,3671.71) 3262.49,3604.21 3302.71,3564 C79.2@3334,3564
  TopLayer w30: R155.1@3533,3815 3533,3878.89 J2.13@3538.11,3884
  MidLayer2 w10: v1@3267,3670 3327,3670 3538.11,3881.11 J2.13@3538.11,3884
NewNet13: C94.1 J2.12 U3.2 | length 3736.8
  TopLayer w18: v1(3038,460) U3.2@3114,460
  TopLayer w30: C94.1@3436,3814 3436,3882.17 J2.12@3437.83,3884
  BottomLayer w65: v1(3038,460) 3038.7,460 3117.91,539.21 3117.91,2200.88 3419.58,2502.55 3419.58,3810.88 3437.83,3829.14 J2.12@3437.83,3884
NewNet14: C92.1 J2.11 U3.19 | length 3871.4
  TopLayer w25: U3.19@2589,461 2659,461 v1(2660,460)
  TopLayer w30: C92.1@3333,3813 3333,3879.44 J2.11@3337.56,3884
  BottomLayer w65: v1(2660,460) 2632.91,487.09 2632.91,930.88 3029.58,1327.55 3029.58,2229.21 3337.56,2537.19 J2.11@3337.56,3884
NewNet15: J2.10 R150.2 R159.2 U16.4 | length 614.9
  TopLayer w10: U16.4@3183,3543 3087.46,3543 3073.74,3556.71 3073.74,3710.88 3080.83,3717.96 3223.74,3717.96 3262.91,3757.13 3262.91,3850.88 3237.28,3876.51 J2.10@3237.28,3884
  other v1: 3089.58,3544.21
NewNet16: J2.9 R156.2 R159.1 U16.3 | length 666.3
  TopLayer w10: J2.9@3137,3884 3143.33,3877.67 3143.33,3797.67 3141.54,3795.88 3044.99,3795.88 3029.16,3780.05 3029.16,3502.13 3084.99,3446.3 3180.7,3446.3 U16.3@3183,3444
  other v1: 3091.04,3442.55
NewNet17: C106.1 J2.54 R112.1 R119.1 R123.2 R124.2 | length 2770.8
  TopLayer w6: R123.2@3013,3154 R124.2@3104,3154 ; R112.1@3102,2969 3102.91,2969.91 3102.91,3211.71 v1(3105.41,3214.21)
  TopLayer w30: C106.1@4928,4048 4928,3998 J2.54@4942,3984
  MidLayer2 w10: v1@3112,3216 3187,3291 4534,3291 v1@4551,3274 ; v1@4720,3476 4722,3476 4892,3646 4892,3934 J2.54@4942,3984
  BottomLayer w6: v1(4546.24,3278.8) 4576.66,3278.8 4715.83,3417.96 v1(4715.83,3475.88)
NewNet18: C113.1 J2.53 R111.1 R120.1 R125.2 R126.2 | length 2675.1
  TopLayer w6: v1(3196.66,3212.96) 3194.58,3210.88 3194.58,3159.21 3199.16,3154.63 3278.74,3154.63 3286.66,3146.71 3286.66,2970.66 R111.1@3283,2967
  TopLayer w30: C113.1@4815,4049 4815,4010.72 J2.53@4841.72,3984
  MidLayer2 w10: v1@3203,3213 3203,3214 3257,3268 4472,3268 v1@4501,3239
  BottomLayer w6: v1(4497.08,3241.71) 4561.24,3241.71 4796.66,3477.13 4796.66,3841.3 4788.74,3849.21 4788.74,3936.71 4836.03,3984 J2.53@4841.72,3984
NewNet19: C112.1 J2.52 R52.2 R53.1 | length 2887
  TopLayer w10: R53.1@4769,2132 4800.96,2132 4873.33,2059.63 4901.63,2059.63 R52.2@4903,2061 4903,2000.79 v1(4904.58,1999.21)
  TopLayer w30: C112.1@4697,4049 4697,4028.44 J2.52@4741.44,3984
  MidLayer2 w15: J2.52@4740.44,3985 4743,3985 4818,4060 4956,4060 5011,4005 5011,3726 5120,3617 v1(5120,3595)
  BottomLayer w6: v1(4904.58,1999.21) 4904.58,2059.63 4965.83,2120.88 4965.83,2513.8 4934.16,2545.46 4902.08,2545.46 4879.16,2568.38 4879.16,2635.05 4978.33,2734.21 5014.99,2734.21 5046.24,2765.46 5046.24,3390.05 5119.58,3463.38 5119.58,3594.58 v1(5120,3595)
NewNet20: C111.1 J2.51 R57.1 U11.10 | length 2425.6
  TopLayer w6: v1(4390.41,2419.63) v1@4391.66,2419.63 ; R57.1@4393,2178 4361.21,2178 4347.49,2191.71 4347.49,2375.88 4391.24,2419.63 v1@4391.66,2419.63 ; U11.10@4707,2372.69 4658.47,2372.69 4646.66,2360.88 4450.41,2360.88 v1@4391.66,2419.63
  TopLayer w30: C111.1@4627,4049 4627,3998.17 J2.51@4641.17,3984
  BottomLayer w6: v1(4390.41,2419.63) 4419.58,2448.8 4419.58,3340.46 4457.49,3378.38 4457.49,3578.8 4690.83,3812.13 4690.83,3937.55 4644.37,3984 J2.51@4641.17,3984
NewNet21: J2.50 Q6.2 R24.1 | length 2841.8
  TopLayer w6: R24.1@4232,1581 4278.03,1581 4323,1625.97 Q6.2@4323,1668
  BottomLayer w6: v1(4293.74,1596.71) 4293.74,1670.88 4099.99,1864.63 4099.99,2812.13 4321.24,3033.38 4321.24,3560.05 4589.16,3827.96 4589.16,3935.73 J2.50@4540.89,3984